# Altium PCB Proyecto_DYCDE2021.PcbDoc
Units mil, origin at the board's own origin, x right, y up, seen from the top; angles counter-clockwise.
Board outline 2450.53 x 2459.92 mil, 2 copper layers (Top Layer, Bottom Layer); 20 components, 15 nets, 89 pads, 27 vias.
Unrouted connection lines stored in the file: 9.
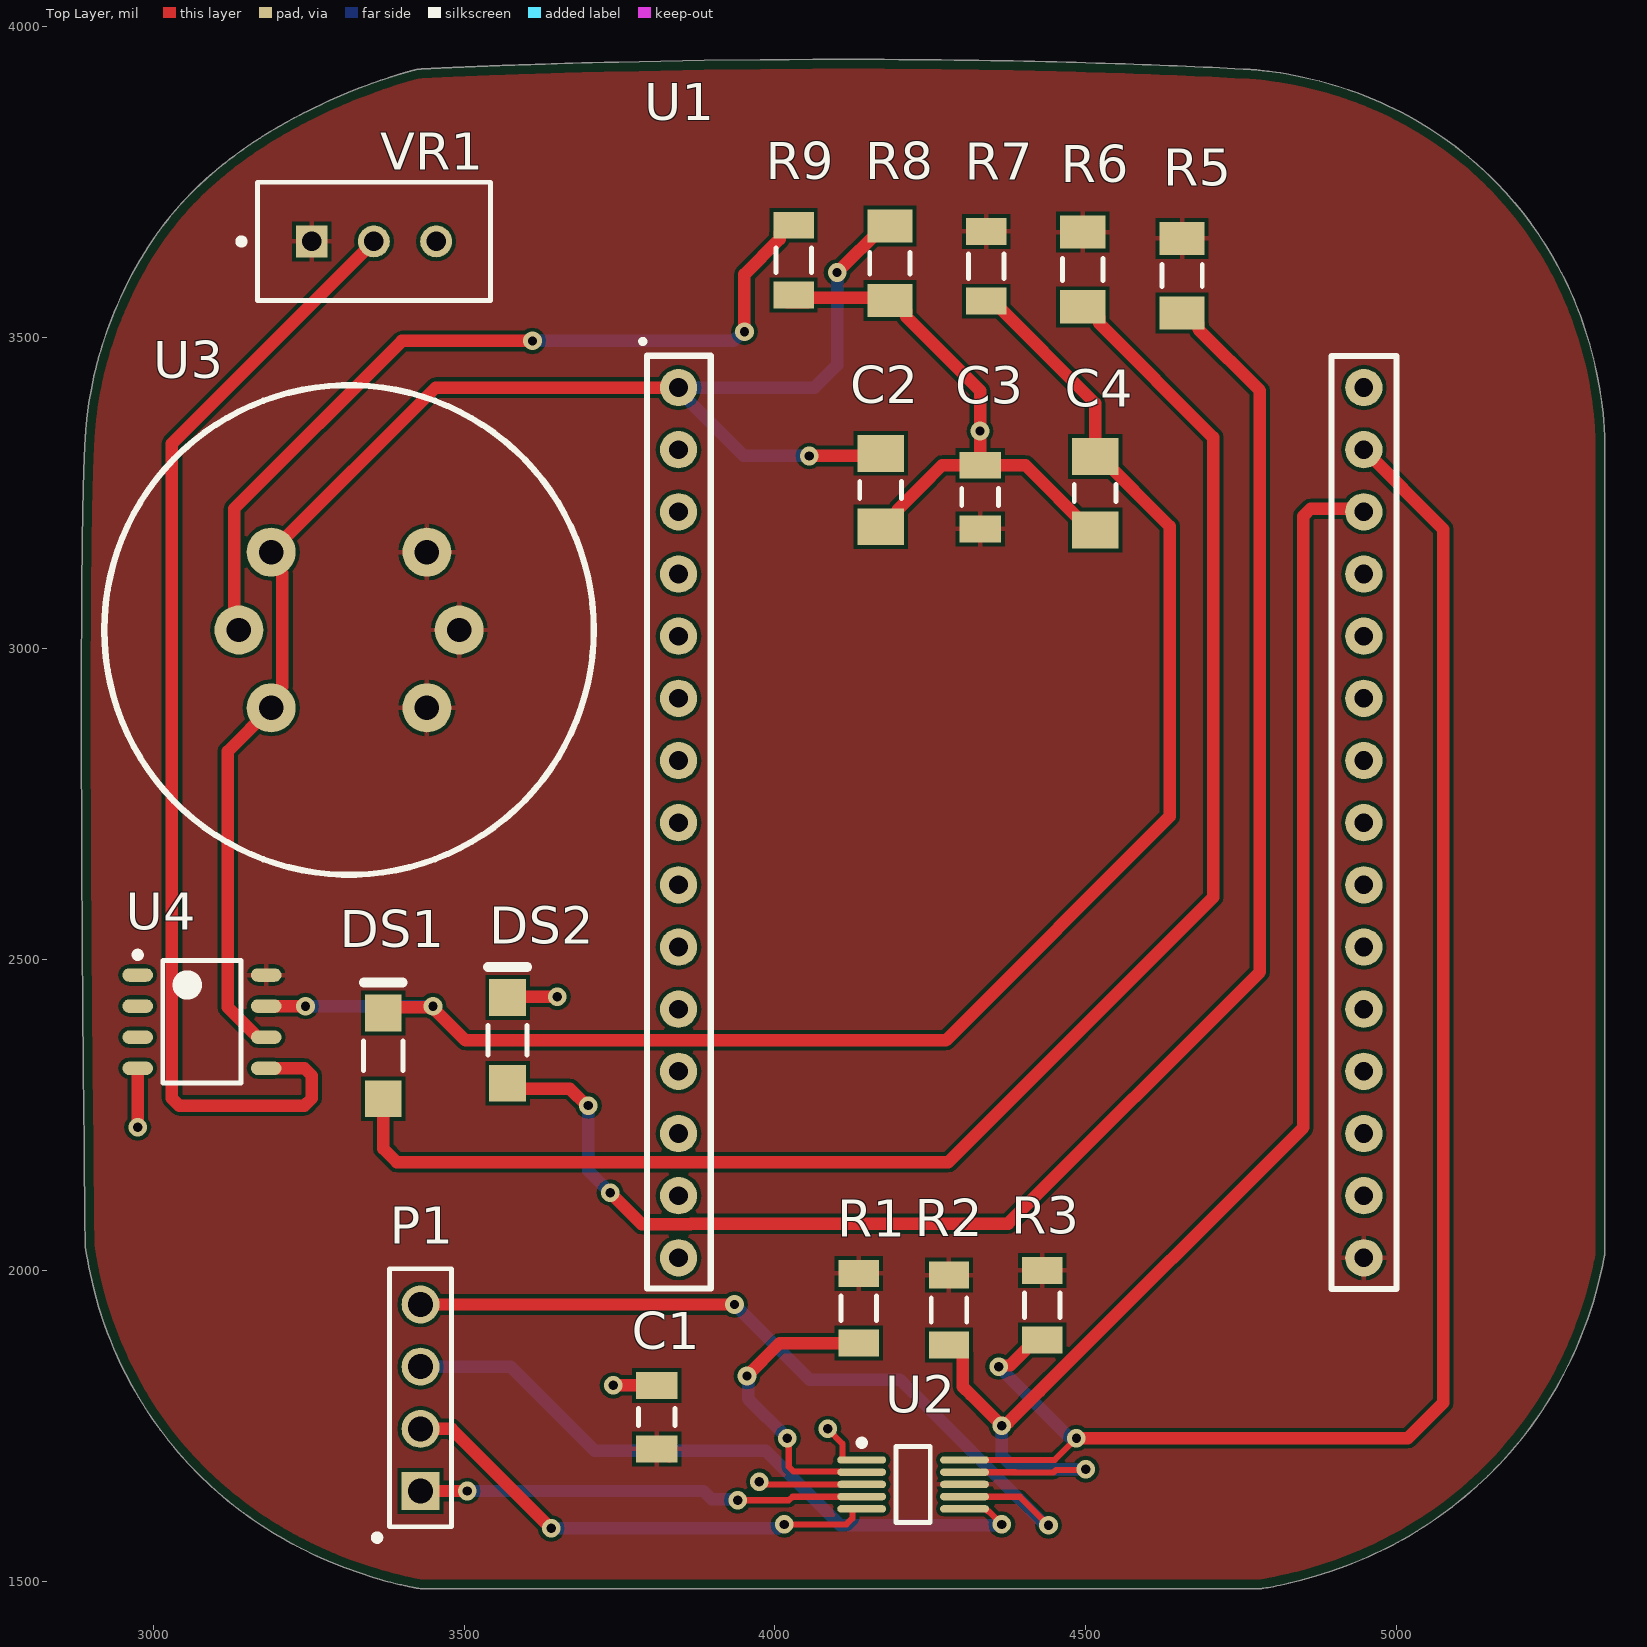
[diagram p0: Top Layer view]
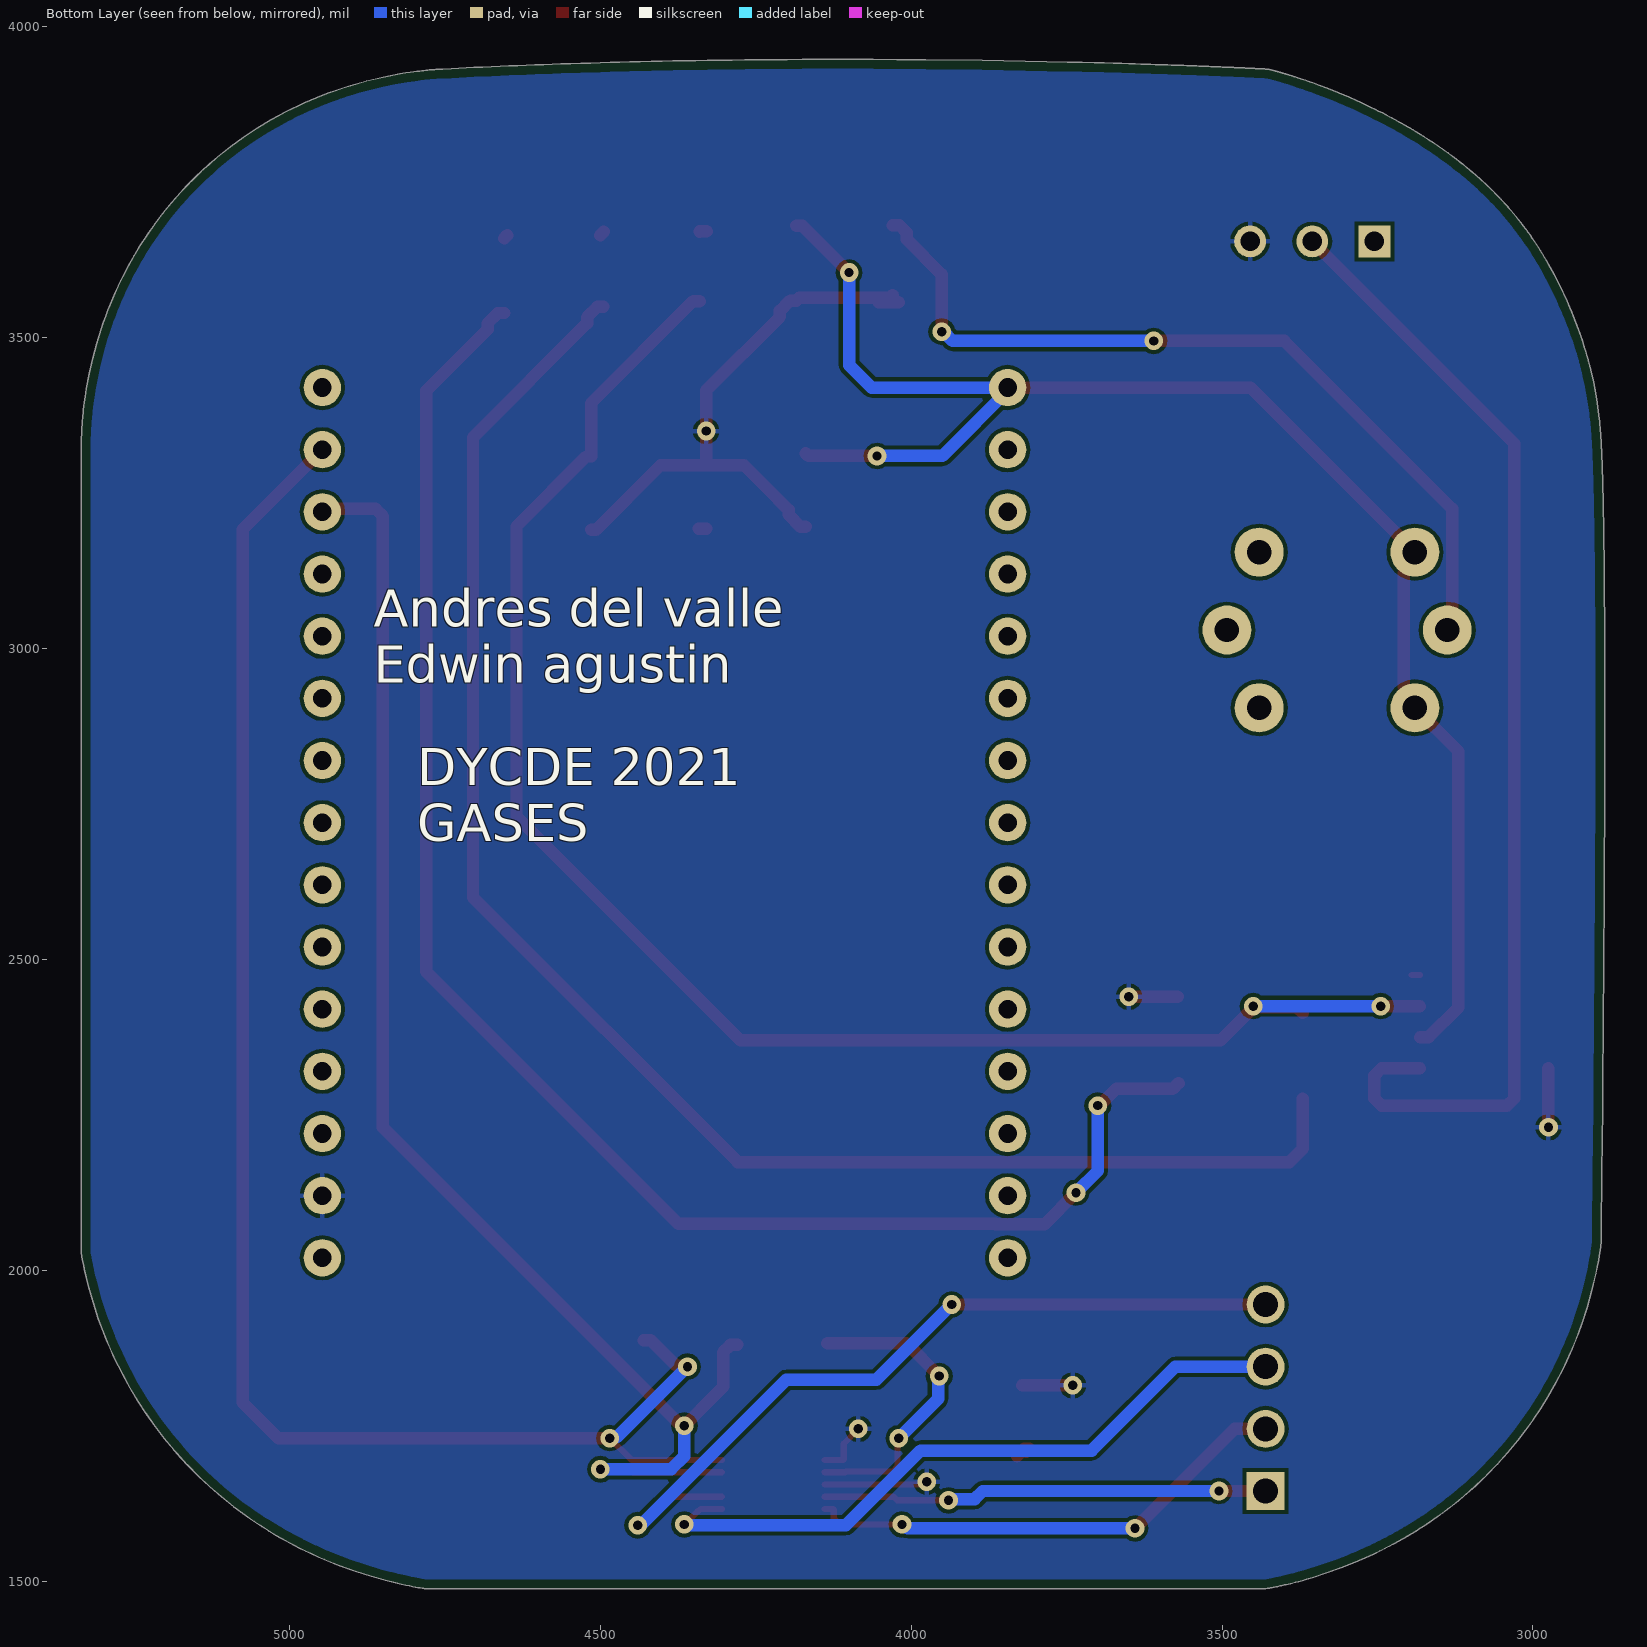
[diagram p1: Bottom Layer view, seen from below]

## Layer stack, top to bottom
Top Solder: solder mask 0.4, Solder Resist, Dk 3.5
Top Layer: signal copper 1.4
Dielectric 1: dielectric 12.6, FR-4, Dk 4.8
Bottom Layer: signal copper 1.4
Bottom Solder: solder mask 0.4, Solder Resist, Dk 3.5

## Board outline
935 vertices, not listed, extent 2884.39,1487.98 5334.92,3947.9

## Design rules (kind name [scope] priority, off if disabled: settings)
BoardOutlineClearance [All] p1: gap=15 ignorepadtopadclearanceinfootprint=FALSE
Clearance [All] p1: gap=6 ignorepadtopadclearanceinfootprint=FALSE except(0: Arc-Hole Track-Hole SMDPad-Hole THPad-Hole Via-Hole Fill-Hole Poly-Hole Region-Hole Text-Hole)
ComponentClearance [All] p1: gap=1 collisioncheckmode=3 verticalgap=1 showdistances=FALSE
DiffPairsRouting [All] p1: maxlimit=393.7 minlimit=6 mostfreqgap=8 toplayer_minwidth=6 toplayer_maxwidth=15 toplayer_prefwidth=8 bottomlayer_minwidth=6 bottomlayer_maxwidth=15 bottomlayer_prefwidth=8 maxuncoupledlength=500
HoleSize [All] p1: absolutevalues=TRUE maxlimit=265 minlimit=13 maxpercent=80.000 minpercent=20.000
HoleToHoleClearance [All] p1: gap=10 allowstackedmicrovias=FALSE
MinimumAnnularRing [All] p1: minimumring=7
MinimumSolderMaskSliver [All] p1: minsoldermaskwidth=0
PlaneClearance [All] p1: clearance=10
PlaneConnect [All] p1: planeconnectstyle=Direct reliefexpansion=16 reliefentries=4 reliefconductorwidth=6 reliefairgap=6
PolygonConnect [All] p1: connectstyle=Relief reliefconductorwidth=8 reliefentries=4 polygonreliefangle="90 Angle" airgapwidth=6
RoutingCorners [All] p1: cornerstyle=45-Degree minsetback=49.21 maxsetback=49.21
RoutingVias [All] p1: holewidth=15 width=30 viastyle="Through Hole" minholewidth=13 minwidth=27 maxholewidth=100 maxwidth=114
SilkToSilkClearance [All] p1: silktosilkclearance=0
SilkToSolderMaskClearance [IsPad] p1: minsilkscreentomaskgap=6 clearancetoexposedcopper=TRUE
SolderMaskExpansion [All] p1: expansion=2.95 istentingtop=FALSE
Width [All] p1: maxlimit=400 minlimit=10 preferedwidth=20 minimp=50.000000 maximp=50.000000 favimp=50.000000
20 further rules are at their usual default settings.

## Classes and differential pairs
component class sensor: C2 C3 C4 DS1 DS2 R5 R6 R7 R8 R9 U3 U4 VR1
component class convertidosr: C1 R1 R2 R3 U2
component class Proyecto_DYCDE2021: P1 U1

## Components (designator, comment, footprint, x,y, rotation, side; value= is the part's Value field where it differs from the comment)
C1 "12065C105KAT2A" CAPC3216X180X50LL20T25 3810,1763.82 r270 top
C2 "C1206C104K5RACTU" KEMT-1206-2_M 4170,3255 r90 top
C3 "12065C105KAT2A" CAPC3216X180X50LL20T25 4330,3243.82 r270 top
C4 "C1206C104K5RACTU" KEMT-1206-2_M 4515,3250 r90 top
DS1 "HSMA-C150" AVAG-HSMX-C150_V 3370,2345 r90 top
DS2 "HSMA-C150" AVAG-HSMX-C150_V 3570,2370 r90 top
P1 "TSW-104-08-G-S" SMTC-TSW-104-08-X-S 3430,1645 r90 top
R1 "ERJ-8GEYJ103V" RESC3216X70X50NL05T20 4135,1938.9 r90 top
R2 "ERJ-8GEYJ103V" RESC3216X70X50NL05T20 4280,1936.1 r90 top
R3 "ERJ-8GEYJ103V" RESC3216X70X50NL05T20 4430,1943.9 r90 top
R5 "CRCW12061K00FKEA" RESC3216X60X45ML15T20 4655,3600 r90 top
R6 "CRCW12061K00FKEA" RESC3216X60X45ML15T20 4495,3610 r90 top
R7 "ERJ-8GEYJ103V" RESC3216X70X50NL05T20 4340,3615 r90 top
R8 "CRCW12061K00FKEA" RESC3216X60X45ML15T20 4185,3620 r90 top
R9 "ERJ-8GEYJ103V" RESC3216X70X50NL05T20 4030,3625 r90 top
U1 "NodeMcu_v3" NodeMcu_v3 3845,3420 r0 top
U2 "ADS1115IDGST" TI-DGS10_M 4222.32,1655.63 r0 top
U3 "MQ-135" PCBComponent_1 3315,3030 r0 top
U4 "LM393DT" STM-SO-8_D_L 3078.35,2400 r0 top
VR1 "3296W-1-103LF" BOUR-3296W 3355,3655 r0 top

## Footprints (in the part's own frame and the unit in brackets; to place one, negate y for a bottom-side part, rotate by r counter-clockwise, add the part's x,y. Pads: shape width x height; smd on the part's side, far side on the other; paste and mask are expansions set on the pad)
AVAG-HSMX-C150_V [mm] "SMD, 2-Leads, Body 3.2x1.6mm"
  rect 1.5x1.5 smd: 1(-1.75,0) 2(1.75,0)
  silkscreen extent -0.6,-0.8 3,0.8, body extent -1.6,-0.8 1.6,0.8, height 1.1
BOUR-3296W [mm] "THD, 3-Leads, Body 9.53x4.83mm, Pitch 2.54mm"
  rect 1.3x1.3 hole 0.8: 1(-2.54,0)
  round 1.3 hole 0.8: 2(0,0) 3(2.54,0)
  silkscreen extent -5.54,-2.41 4.76,2.42, body extent -4.76,-2.4 4.76,2.42, height 11.55
CAPC3216X180X50LL20T25 [mm] "Chip Capacitor, 2-Leads, Body 3.20x1.60mm, IPC High Density"
  rect 1.1x1.7 smd: 1(-1.3,0) 2(1.3,0)
  silkscreen extent -0.35,-0.75 0.35,0.75, body extent -1.7,-0.9 1.7,0.9, height 1.8
KEMT-1206-2_M [mm] "SMD, 2-Leads, Body 3.4x1.8mm, IPC Low Density"
  rect 1.5x1.9 smd: 1(-1.5,0) 2(1.5,0)
  silkscreen extent -0.35,-0.85 0.35,0.85, body extent -1.7,-0.9 1.7,0.9, height 0.88
NodeMcu_v3 [mil]
  round 60 hole 30: 3.3v(0,-1000) 3V3(1102.36,-500) 3V3_(1102.36,-1400) CLK(0,-800) D0(1102.36,0) D1(1102.36,-100) D2(1102.36,-200) D3(1102.36,-300) D4(1102.36,-400) D5(1102.36,-700) D6(1102.36,-800) D7(1102.36,-900) D8(1102.36,-1000) EN(0,-1100) G_N_D(1102.36,-1300) G_ND(0,-1300) GN_D(0,-900) GND(0,-100) GND_(1102.36,-600) RST(0,-1200) RX(1102.36,-1100) SD1(0,-500) SD2(0,-400) SD3(0,-300) SDC(0,-600) SDO(0,-700) TX(1102.36,-1200) VIN(0,-1400) VV(0,-200)
  round 60 hole 30 paste+0: A0(0,0)
  silkscreen extent -60,-1450 1155,77, body extent -70,-1924 1170,437, height 561
PCBComponent_1 [mm]
  round 2 hole 1: A1(3.182,3.182) A2(3.182,-3.182) B1(-3.182,-3.182) B2(-3.182,3.182) H1(4.5,0) H2(-4.5,0)
  silkscreen extent -10,-10 10,10, body extent -9.75,-9.75 9.75,9.75, height 14
RESC3216X60X45ML15T20 [mm] "Chip Resistor, 2-Leads, Body 3.3x1.75mm, IPC Low Density"
  rect 1.35x1.85 smd: 1(-1.525,0) 2(1.525,0)
  silkscreen extent -0.45,-0.82 0.45,0.82, body extent -1.65,-0.87 1.65,0.87, height 0.6
RESC3216X70X50NL05T20 [mm] "Chip Resistor, 2-Leads, Body 3.20x1.60mm, IPC Medium Density"
  rect 1.1x1.65 smd: 1(-1.425,0) 2(1.425,0)
  silkscreen extent -0.5,-0.72 0.5,0.72, body extent -1.63,-0.82 1.62,0.82, height 0.7
SMTC-TSW-104-08-X-S [mm] ".025 SQ Post Terminal Strip Assembly, 1x4 Pins, Vertical, 2.54mm Pitch, Male"
  rect 1.55x1.55 hole 1.02: 1(0,0)
  round 1.55 hole 1.02: 2(2.54,0) 3(5.08,0) 4(7.62,0)
  silkscreen extent -1.46,-1.27 9.08,1.27, body extent -1.27,-1.27 8.89,1.27, height 8.38
STM-SO-8_D_L [mm] "SOIC, 8-Leads, Body 5x4mm, Pitch 1.27mm, IPC High Density"
  oval 1.25x0.55 smd: 1(-2.625,1.905) 2(-2.625,0.635) 3(-2.625,-0.635) 4(-2.625,-1.905) 5(2.625,-1.905) 6(2.625,-0.635) 7(2.625,0.635) 8(2.625,1.905)
  silkscreen extent -2.75,-2.5 1.6,2.85, body extent -3,-2.5 3,2.5, height 1.75
TI-DGS10_M [mm] "SOP, 10-Leads, Body 3x3mm, Pitch 0.5mm, IPC Low Density"
  oval 2x0.3 smd: 1(-2.1,1) 2(-2.1,0.5) 3(-2.1,0) 4(-2.1,-0.5) 5(-2.1,-1) 6(2.1,-1) 7(2.1,-0.5) 8(2.1,0) 9(2.1,0.5) 10(2.1,1)
  silkscreen extent -2.22,-1.55 0.7,1.82, body extent -1.55,-1.55 1.55,1.55, height 1.1

## Part data
C1 C3: library part CMP-2000-05866-1, "Chip Capacitor, 1 uF, +/- 10%, 50 V, -55 to 125 degC, 1206 (3216 Metric), RoHS, Tape and Reel", Capacitance=1µF, Case Size/Dimension=1206, Dielectric=X7R, Manufacturer=AVX, Package Description="2-Pin Surface Mount Device, Body 3.2 x 1.6 mm", Rated Voltage=50V, Tolerance (%)=±10%, Datasheet URL=http://datasheets.avx.com/X7RDielectric.pdf, Datasheet Version=07/2016, Manufacturer URL=http://www.avx.com/, Mounting Technology=SurfaceMount, Package Reference=1206
C2 C4: library part CMP-1037-04202-2, "CAP, Ceramic, 0.1 uF, +/- 10%, 50 V, -55 to 125 degC, 1206 (3216 Metric), RoHS, Tape and Reel", Capacitance=0.1µF, Capacitance Tolerance=±10%, Capacitor Case Style=1206[3216Metric], Dielectric Characteristic=X7R, Manufacturer=Kemet, Operating Temperature Max=125degC, Operating Temperature Min=-55degC, Package Description="2-Leads SMD, Body 3.2 x 1.6 mm", Package Reference=1206-2, Voltage Rating=50V, Datasheet URL=https://datasheet.ciiva.com/6125/1725438-6125494.pdf, Datasheet Version=Jul-13, Manufacturer URL=http://www.kemet.com/, Packaging=Tape&Reel, Product Range=KEMET-CSeries, SVHC=ToBeAdvised
DS1 DS2: library part CMP-2000-06420-1, "High Performance Chip LED, 60 mW, 25 mA, -30 to 85 degC, 2-Pin SMD, RoHS, Tape and Reel", Forward Current=20mA, Forward Voltage=1.9V, Illumination Color=Amber, Lens Color/Style=Diffused, Manufacturer=AvagoTechnologies, Maximum Operating Temperature=+85C, Minimum Operating Temperature=-40C, Package / Case=3.2mmx1.6mmx1.1mm, Package Description="2-Pin Surface Mount Device, Body 3.2 x 1.6 mm", Package Reference=HSMX-C150, Power Rating=60mW, Wavelength/Color Temperature=592nm, Brand=AvagoTechnologies, Datasheet URL=https://datasheet.ciiva.com/29280/180503-da-01-en-chip-led-hsma-c150-gelb-29280992.pdf, Datasheet Version=03/2008, Factory Pack Quantity=3000, LED Size=3.2mmx1.6mmx1.1mm, Luminous Intensity=90mcd, Manufacturer URL=http://www.avagotech.com/, Mounting Technology=SurfaceMount, Packaging=Reel, Product Category=StandardLEDs-SMD, RoHS=Details, Viewing Angle=170deg
P1: library part CMP-1024-00357-1, "0.025\" SQ Post Header, Through-hole, Vertical, -55 to 125 degC, 2.54 mm Pitch, 4-Pin, Male, RoHS", Manufacturer=Samtec, Temperature Range="-55 to 125 degC", ComponentLink1Description="Manufacturer URL", ComponentLink1URL=http://www.samtec.com, ComponentLink2Description=Datasheet, ComponentLink2URL=http://www.samtec.com/documents/webfiles/pdf/TSW_TH.PDF, ComponentLink3Description="Package Specification", ComponentLink3URL=http://www.samtec.com/documents/webfiles/cpdf/TSW-XXX-XX-XXX-X-XX-XXX-MKT.pdf, DatasheetVersion=F-214, Mounting Technology=Through-hole, Orientation=Vertical, PackageDescription=".025[0.64] SQ. Post Terminal Strip Assembly", PackageReference=TSW-104-08-X-S, PackageVersion="DM, 8/1988", PartNumber=TSW-104-08-G-S, Pitch="2.54 mm", RoHS=True
R1 R2 R3 R7 R9: library part CMP-2003-00545-1, Manufacturer=Panasonic, Part Number=ERJ-8GEYJ103V
R5 R6 R8: library part CMP-2100-03616-1, "Chip Resistor, 1 KOhm, +/- 1%, 0.25 W, -55 to 155 degC, 1206 (3216 Metric), RoHS, Tape and Reel", Case Code (Imperial)=1206, Case Code (Metric)=3216, Manufacturer="Vishay Semiconductor", Max Operating Temperature=155degC, Max Power Dissipation=250mW, Min Operating Temperature=-55degC, Package Description="2-Pin Surface Mount Device, Body 3.15 x 1.6 mm", Package Quantity=10, Package Reference=1206.0, Resistance=1KOhm, Temperature Coefficient=100ppm/degreesC, Tolerance=1%, Voltage Rating=200V, Case/Package=1206, Composition=ThickFilm, Contact Plating=Tin, Datasheet URL=http://www.farnell.com/datasheets/1720486.pdf, Datasheet Version=41061.0, Depth=1.6mm, Height=0.55mm, Lead Free=LeadFree, Length=3.2mm, Manufacturer URL=http://www.vishay.com/, Military Standard=Not, Mount=SurfaceMount, Number of Pins=2, Number of Terminations=2, Packaging=TapeandReel, Power Rating=250mW, Radiation Hardening=No, REACH SVHC=Unknown, RoHSCompliant=true, Termination=SMD/SMT, Voltage Rating (DC)=200V, Weight=0.000353oz, Width=0.063inch
U2: library part CMP-0003-00378-2, "16-Bit ADC with Integrated Multiplexer, PGA, Comparator, Oscillator, and Reference, -40 to 125 degC, 10-pin SOP (DGS10), Green (RoHS & no Sb/Br)", Analog Voltage AV/DD(Max)(V)=5.5, Analog Voltage AV/DD(Min)(V)=2, Manufacturer="Texas Instruments", # Input Channels=4, Architecture=Delta-Sigma, Code_JEDEC=MO-153, ComponentLink1Description="Manufacturer URL", ComponentLink1URL=http://www.ti.com/, ComponentLink2Description=Datasheet, ComponentLink2URL=http://www.ti.com/general/docs/lit/getliterature.tsp?genericPartNumber=ADS1115&fileType=pdf, ComponentLink3Description="Package Specification", ComponentLink3URL=http://www.ti.com/lit/ml/mpds035b/mpds035b.pdf, DatasheetVersion=SBAS444B, Digital Supply(Max)(V)=5.5, Digital Supply(Min)(V)=2, Eco-Plan="Green (RoHS & no Sb/Br)", INL(Max)(+/-LSB)=1, Interface="Serial I2C", Mounting Technology="Surface Mount", PackageDescription="10-Pin Plastic Small Outline, Body 3 x 3 mm, Pitch 0.5 mm", PackageReference=DGS10, PackageVersion="4073272/C, 02/2004", PartNumber=ADS1115IDGST, Resolution(Bits)=16, Sample Rate (max)(SPS)=860, SubFamily="Precision ADC (<=10MSPS)"
U4: library part CMP-2000-06550-1, "Low-Power, Dual-Voltage Comparator, 2 to 36 V, 0 to 70 degC, 8-Pin SOIC (SO), RoHS, Tape and Reel", Current - Input Bias (Max)=0.25µA@5V, Current - Output (Typ)=18mA@5V, Current - Quiescent (Max)=2.5mA, Manufacturer=STMicroelectronics, Operating Temperature=0°C~70°C, Package / Case="8-SOIC(0.154\",3.90mmWidth)", Package Description="8-Pin Small Outline Integrated Circuit, Body 4.9 x 3.9 mm, Pitch 1.27 mm", Package Reference=SO-8, Standard Package=2,500, Supplier Device Package=8-SO, Voltage - Input Offset (Max)=5mV@30V, Voltage - Supply, Single/Dual (±)=2V~36V,±1V~18V, Category=IntegratedCircuits(ICs), Datasheet URL=http://www.st.com/content/ccc/resource/technical/document/datasheet/group1/b4/cc/cf/13/18/28/44/f5/CD00000465/files/CD00000465.pdf/jcr:content/translations/en.CD00000465.pdf, Datasheet Version="Rev. 15, 02/2016", EDA / CAD Models=DownloadfromAcceleratedDesigns, Family=Linear-Comparators, Manufacturer URL=http://www.st.com/, Mounting Technology=SurfaceMount, Mounting Type=SurfaceMount, Number of Elements=2, Online Catalog=Comparators-2elements, Other Names=497-1593-2, Other Related Documents=LM393ViewAllSpecificationsLM393ViewAllSpecifications, Output Type=CMOS,DTL,ECL,MOS,Open-Collector,TTL, Packaging=Tape&Reel(TR), Type=GeneralPurpose
VR1: library part CMP-1747-00001-1, "Square Trimpot(R) Trimming Potentiometer, 10 KOhm, +/- 10%, 0.5 W, -55 to 125 degC, 3-Pin THD, RoHS, Tube", Case Code (Imperial)=0603, Case Code (Metric)=1608, Max Operating Temperature="155 degC", Min Operating Temperature="-55 degC", Package Quantity=5000, Power Rating="100 mW", Resistance="120 Ohm", Tolerance=1%, Type (Resistor)="Thick Film", Voltage Rating="75 V", Case\Package=0603, ComponentLink1Description="Manufacturer URL", ComponentLink1URL=http://www.bourns.com/, ComponentLink2Description=Datasheet, ComponentLink2URL=http://www.bourns.com/docs/Product-Datasheets/3296.pdf, DatasheetVersion=May-16, Height="0.45 mm", Length="1.55 mm", Mount="Surface Mount", PackageDescription="3-Pin Through Hole Device, Body 9.53 x 4.83 mm, Pitch 2.54 mm", PackageReference=3296W, Packaging="Tape and Reel", Pins=2, Radiation Hardening=No, REACH SVHC=Unknown, RoHSCompliant=true, Weight="7.1E-05 oz", Width="0.85 mm"

## Via types
v1: diameter 30, hole 15, Top Layer to Bottom Layer, 27 vias

## Nets (pads, with @x,y where several pads share a name; then routed paths per layer and width w, separated by ;. In a path a pad name is that pad's centre, name@x,y a point inside that pad or via, vN(x,y) a via of type N, cw(c..) or ccw(c..) an arc to the next point about the centre after c; other vN are vias at no path point)
3V3: C1.2 C3.2 R1.2 R2.2 R3.2 R5.2 R6.2 R7.2 U1.3V3_ U2.8 U3.A1 U3.A2 U3.H1 U4.8 VR1.1 | length 109.7
  Top Layer w10: U4.8 U4.8@3195.47,2475
  Top Layer w20: U3.A1@3440.27,3139.38 U3.A1 ; U3.H1@3492,3030.16 U3.H1 U3.H1@3502.27,3030 ; C1.2@3814.7,1707.94 C1.2 3818.3,1712.64 C1.2@3829.95,1700.98 ; R7.2@4329.17,3671.1 R7.2 R7.2@4340.53,3670.57 ; C3.2 C3.2@4341.81,3192.64 ; R6.2@4494.47,3670.57 R6.2 R6.2@4500,3665.04 ; R5.2@4650,3665.04 R5.2
A0: C2.2 R8.2 U1.A0 U3.B1 U3.B2 U4.6 | length 2534.9
  Top Layer w20: U4.6 3167.91,2375 3120,2422.91 3120,2835 U3.B1 3189.73,2920.62 3207.86,2938.75 3207.86,3121.25 3189.73,3139.38 U3.B2 3454.45,3420 U1.A0@3840,3420 ; v1(4055,3310) 4165.94,3310 C2.2 ; v1(4100,3605) 4100.12,3605 4175.16,3680.04 R8.2
  Bottom Layer w20: v1(4055,3310) 3950,3310 3840,3420 4063.84,3420 4100,3456.16 v1(4100,3605)
AIN0: P1.1 U2.4 | length 718.3
  Top Layer w10: v1(3940,1630) 4022.41,1630 4028.35,1635.94 U2.4
  Top Layer w20: P1.1 v1(3505,1645)
  Bottom Layer w20: v1(3505,1645) 3885,1645 3898.09,1631.91 3938.09,1631.91 v1(3940,1630)
AIN1: P1.2 U2.5 | length 792.4
  Top Layer w10: v1(4015,1591.26) 4114.65,1591.26 4124.6,1601.21 4124.6,1615.42 4125.43,1616.26 U2.5
  Top Layer w20: P1.2 3480,1745 v1(3640,1585)
  Bottom Layer w20: v1(3640,1585) 4006.03,1585 4010.38,1589.35 v1@4010.38,1590
AIN2: P1.3 U2.6 | length 1106
  Top Layer w10: U2.6 4338.95,1616.26 4342.74,1612.47 4343.79,1612.47 v1(4365,1591.26)
  Bottom Layer w20: P1.3 3575,1845 3710,1710 3985,1710 4105,1590 v1@4360,1590
AIN3: P1.4 U2.7 | length 1311.1
  Top Layer w10: U2.7 4394.06,1635.94 v1(4440,1590)
  Top Layer w20: P1.4 v1(3935,1945)
  Bottom Layer w20: v1(3935,1945) 4055.96,1824.04 4200.96,1824.04 4430,1595 4432.29,1595 4437.29,1590 v1(4440,1590)
ALERT: R1.1 U2.2 | length 496.7
  Top Layer w10: v1(4020,1730) 4022.11,1727.89 4022.11,1684.15 4030,1676.26 4104.75,1676.26 4105.69,1675.32 U2.2
  Top Layer w20: v1(3955,1830) 4007.8,1882.8 R1.1
  Bottom Layer w20: v1(3955,1830) 3956.91,1828.09 3956.91,1793.09 v1(4020,1730)
DO: C4.2 DS1.2 R7.1 U4.7 | length 2673.4
  Top Layer w20: U4.7 v1(3245,2425) ; DS1.2 3379.19,2423.09 3448.09,2423.09 v1(3450,2425) 3450,2422.29 3502.29,2370 4275,2370 4635,2730 4635,3196.93 4522.87,3309.06 C4.2 4515,3394.72 4350.83,3558.9 R7.1
  Bottom Layer w20: v1(3245,2425) v1(3450,2425)
GND: C1.1 C2.1 C3.1 C4.1 DS2.2 R8.1 R9.1 U1.G_N_D U2.1 U2.3 U4.4 VR1.3 | length 1479.9
  Top Layer w10: DS2.2 DS2.2@3571.1,2440 ; v1(3975,1660) 3980.41,1660 3984.78,1655.63 U2.3 ; v1(4085,1745) 4108.68,1721.32 4108.68,1695.84 4109.52,1695 U2.1
  Top Layer w20: v1(2975,2230) U4.4 ; DS2.2@3571.1,2440 v1(3650,2440) ; v1(3740,1815) C1.1 C1.1@3821.81,1815 ; R9.1@4020,3557.24 4052.48,3557.24 R9.1@4045.3,3564.43 ; R9.1 4034.47,3564.43 R9.1@4045.3,3564.43 ; C2.1 4177.87,3195.94 4197.4,3215.47 4197.4,3223.35 4233.23,3259.17 4269.06,3295 C3.1 ; C4.1 4507.13,3190.94 4403.07,3295 C3.1 ; R9.1@4045.3,3564.43 4180.53,3564.43 R8.1 4194.84,3559.96 4211.42,3543.39 4211.42,3533.54 4330,3414.96 v1(4330,3350) C3.1
NetDS1_1: DS1.1 R6.1 | length 2643.5
  Top Layer w20: DS1.1 3370,2195.72 3391.72,2174 4279,2174 4705,2600 4705,3339.96 4521.42,3523.54 4521.42,3533.39 4504.84,3549.96 R6.1
NetDS2_1: DS2.1 R5.1 | length 2651.3
  Top Layer w20: DS2.1 3579.19,2291.91 3670.38,2291.91 3697.29,2265 v1(3700,2265) ; v1(3735,2125) 3786,2074 3864.05,2074 3865.05,2075 4375,2075 4780,2480 4780,3414.96 4681.42,3513.54 4681.42,3523.39 4664.84,3539.96 R5.1
  Bottom Layer w20: v1(3700,2265) 3700,2160 v1(3735,2125)
NetR9_2: R9.2 U3.H2 | length 1347.6
  Top Layer w20: U3.H2 3130,3037.83 3130,3225 3400,3495 v1(3610,3495) ; v1(3951,3509.84) 3951,3602.1 4007.52,3658.62 4007.52,3669.45 4019.17,3681.1 R9.2
  Bottom Layer w20: v1(3610,3495) 3933.45,3495 3948.29,3509.84 v1(3951,3509.84)
NetU4_5: U4.5 VR1.2 | length 1862.3
  Top Layer w20: U4.5 3243.28,2325 3255,2313.28 3255,2276.72 3243.28,2265 3041.72,2265 3030,2276.72 3030,3330 VR1.2
SCL: R3.1 U1.D1 U2.10 | length 2654.5
  Top Layer w10: U2.10 4450,1695 v1(4485,1730)
  Top Layer w20: v1(4360,1845) 4361.91,1846.91 4378.29,1846.91 4419.17,1887.8 R3.1 ; v1(4485,1730) 5018.28,1730 5075,1786.72 5075,3192.36 U1.D1
  Bottom Layer w20: v1(4360,1845) 4473.09,1731.91 4483.09,1731.91 v1(4485,1730)
SDA: R2.1 U1.D2 U2.9 | length 2332.7
  Top Layer w10: U2.9 4386.61,1675.32 4386.93,1675 4448.26,1675 4452.26,1679 4499,1679 v1(4500,1680)
  Top Layer w20: R2.1 4290.83,1880 4302.48,1868.35 4302.48,1812.52 4315,1800 v1(4365,1750) 4367.71,1750 4372.71,1755 4375,1755 4425.71,1805.71 4850,2230 4850,3213.28 4861.72,3225 4942.36,3225 U1.D2
  Bottom Layer w20: v1(4365,1750) 4365,1701.16 4386.16,1680 v1(4500,1680)
pads on no net: U1.3.3v U1.3V3 U1.CLK U1.D0 U1.D3 U1.D4 U1.D5 U1.D6 U1.D7 U1.D8 U1.EN U1.G_ND U1.GN_D U1.GND U1.GND_ U1.RST U1.RX U1.SD1 U1.SD2 U1.SD3 U1.SDC U1.SDO U1.TX U1.VIN U1.VV U4.1 U4.2 U4.3

## Polygon pours and split planes (outlines as drawn)
3V3 on Top Layer "3V3_L01_P000" (solid, pour order 0): 935 vertices, not listed, extent 2884.39,1487.98 5334.92,3947.9
GND on Bottom Layer "GND_L02_P002" (solid, pour order 2): 935 vertices, not listed, extent 2884.39,1487.98 5334.92,3947.9

## Silkscreen, mask and mechanical layers (free items; w line width, h text height)
Top Overlay:
  circle w10: c3360,1570 r5
Bottom Overlay:
  text "Andres del valle  / Edwin agustin" at 4865,2945 h60
  text "DYCDE 2021  / GASES" at 4795,2690 h60
Mechanical 1:
  drawing of 1094 lines, arcs and shapes, not listed